# Altium PCB PCB.PcbDoc (part 1 of 2) (continued)
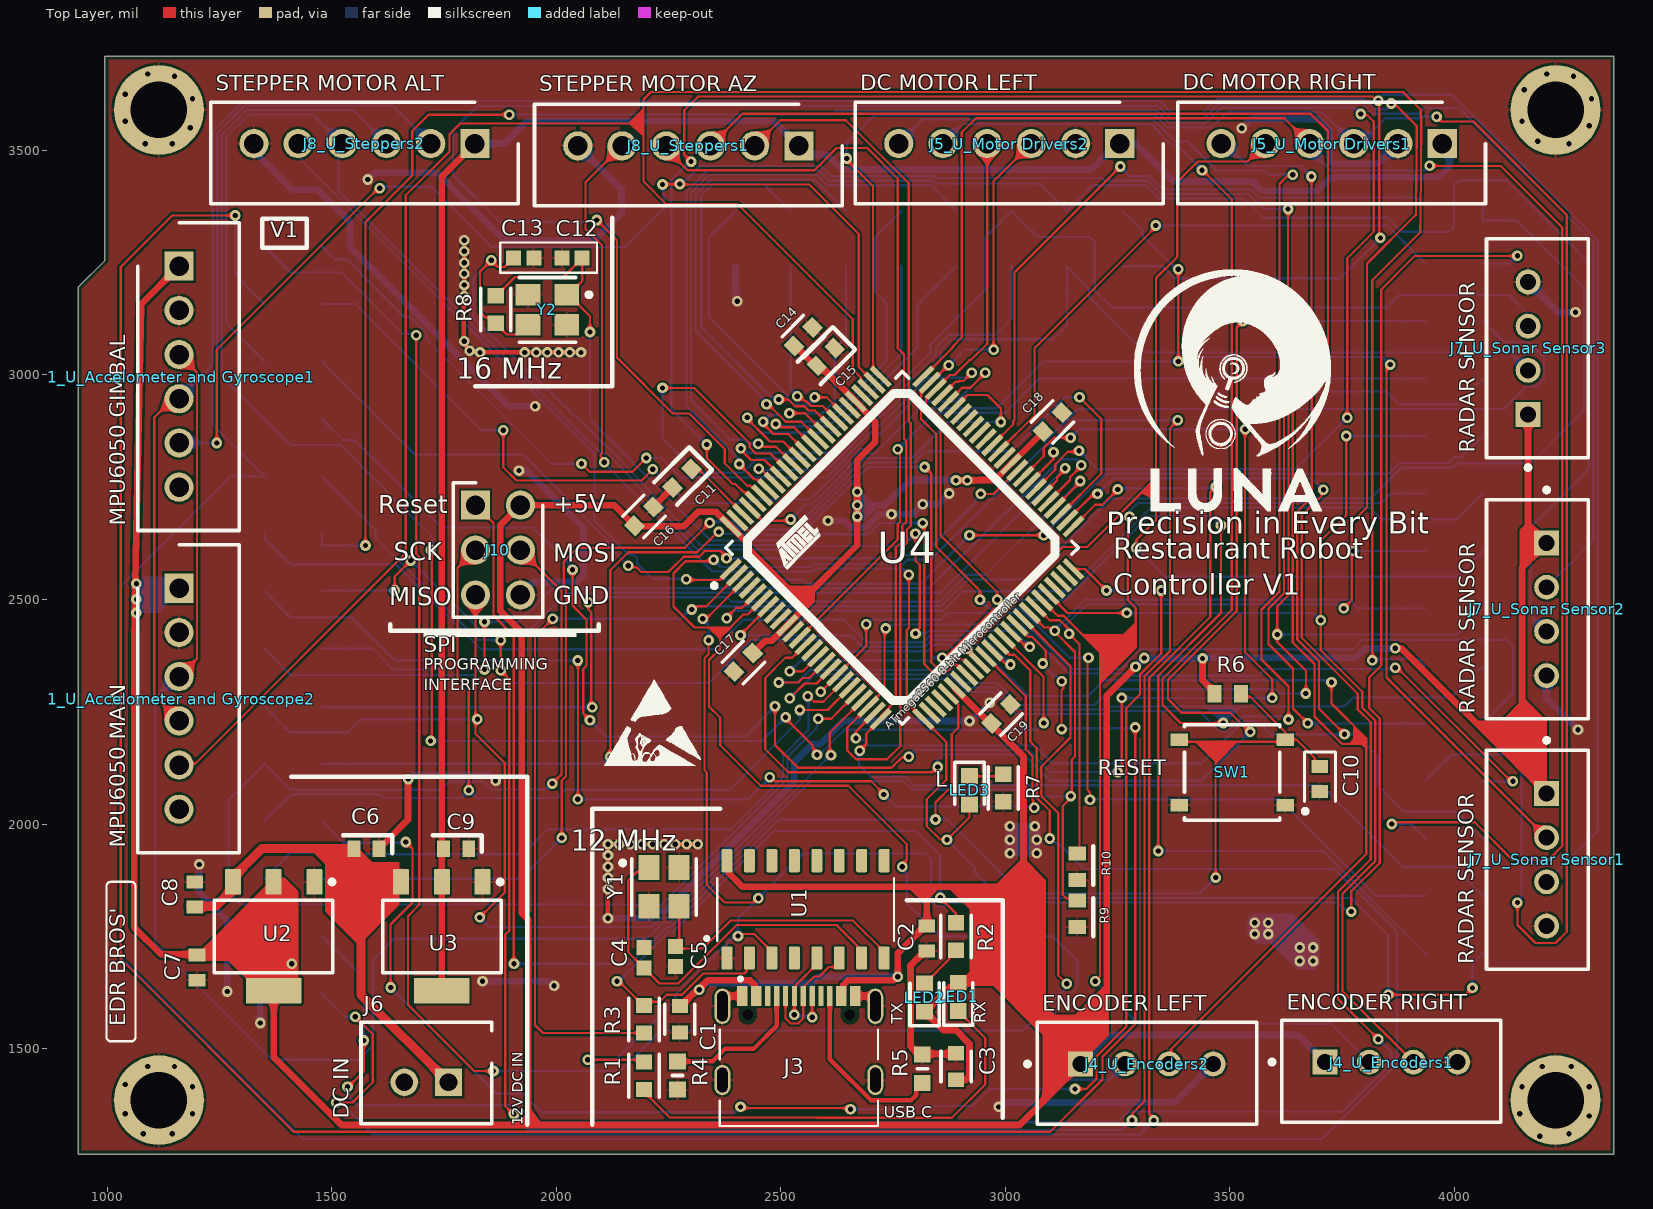
[diagram p0: Top Layer view]
## Part data
C1 C3 C11 C15 C16 C17 C18 C19: library part CMP-2100-03601-2, "CAP CER 0.1UF 50V X7R 0603", Capacitance="100 nF", Manufacturer=YAGEO, Package=CC0603-DA, Temperature="-55°C to +125°C", Temperature Characteristic=X7R, Temperature Coefficient=15%, Temperature Range High=+125°C, Temperature Range Low=-55°C, Tolerance=0.1, Voltage="50 V", Automotive=No, Category=Cap, ComponentLink2Description=Datasheet, ComponentLink2URL=http://www.yageo.com/documents/recent/UPY-GPHC_X7R_6.3V-to-50V_18.pdf, Device Class L1="Passive Components", Device Class L2=Capacitors, Device Class L3="Ceramic Capacitors", Digikey Description="CAP CER 0.1UF 50V X7R 0603", Footprint Url=http://www.yageo.com/exep/pages/download/literatures/UPY-C_GEN_24.pdf, Height=0.9mm, Lead Free=Yes, Manufacturer Part Number=CC0603KRX7R9BB104, Material=Ceramic, Mouser Description="Multilayer Ceramic Capacitor, CC Series, 0.1 - F, - 10%, X7R, 50 V, 0603 [1608 Metric]", Octopart=https://octopart.com/cc0603krx7r9bb104-yageo-42244635, RoHS=TRUE, Voltage Rating="50 V"
C2 C6 C7 C8 C9 C10 C14: "Capacitor", Manufacturer_Name=SAMSUNG, Mouser Part Number=187-CL10A106KP8NNNC, Arrow Part Number=CL10A106KP8NNNC, Arrow Price/Stock=https://www.arrow.com/en/products/cl10a106kp8nnnc/samsung-electro-mechanics?region=europe, Datasheet Link=https://datasheet.datasheetarchive.com/originals/distributors/Datasheets-DGA10/2415998.pdf, Height=0.9mm, Manufacturer_Part_Number=CL10A106KP8NNNC, Mouser Price/Stock=https://www.mouser.co.uk/ProductDetail/Samsung-Electro-Mechanics/CL10A106KP8NNNC?qs=X6jEic%2FHinAlyfRHj7fKwg%3D%3D
C4 C5 C12 C13: library part CMP-1659-00026-1, "Chip Capacitor, 22 pF, +/- 5%, 50 V, -55 to 125 degC, 0603 (1608 Metric), RoHS, Tape and Reel", ComponentLink1Description="Manufacturer URL", ComponentLink1URL=http://www.yageo.com/, ComponentLink2Description=Datasheet, ComponentLink2URL=http://www.yageo.com/documents/recent/UPY-GP_NP0_16V-to-50V_8.pdf, DatasheetVersion="Rev. 8, 08/2011", PackageDescription="2-Pin Surface Mount Device, Body 1.6 x 0.8 mm", PackageReference=0603
"J1_U_Accelometer and Gyroscope1" "J1_U_Accelometer and Gyroscope2" "J5_U_Motor Drivers1" "J5_U_Motor Drivers2" J8_U_Steppers1 J8_U_Steppers2: "Connector", Arrow Part Number=B6B-XH-A(LF)(SN), Manufacturer_Name="JST (JAPAN SOLDERLESS TERMINALS)", Arrow Price/Stock=https://www.arrow.com/en/products/b6b-xh-a-lf-sn/jst-manufacturing?region=europe, Datasheet Link=https://datasheet.lcsc.com/szlcsc/JST-Sales-America-B6B-XH-A-LF-SN_C144397.pdf, Height=7mm, Manufacturer_Part_Number=B6B-XH-A(LF)(SN)
J3: "USB Connectors 24 Receptacle 1 8.94*7.3mm RoHS", Package=Package, Availability="Not in stock", Check_prices=https://www.snapeda.com/parts/TYPE-C-31-M-12/HRO+Electronics+Co.%252C+Ltd./view-part/?ref=eda, MF="HRO Electronics Co., Ltd.", MP=TYPE-C-31-M-12, Price=None, SnapEDA_Link=https://www.snapeda.com/parts/TYPE-C-31-M-12/HRO+Electronics+Co.%252C+Ltd./view-part/?ref=snap
J4_U_Encoders1 J4_U_Encoders2 "J7_U_Sonar Sensor1" "J7_U_Sonar Sensor2" "J7_U_Sonar Sensor3": library part CMP-17439-000250-1, "CONN HEADER VERT 4POS 2.5MM", Color=Natural, Contact Resistance=20mR, Current Rating=3A, Flammability Rating="UL94 V-0", Housing Color=White, Insulation Resistance=1GR, Max Operating Temperature=85°C, Max Voltage Rating (AC)=250V, Min Operating Temperature=-25°C, Package Quantity=500, Connector Type=Header, Contact Finish - Mating=TIN, Contact Material=Brass, Contact Plating=Tin, Contact Shape=Square, Contact Type="Male Pin", Depth=5.75mm, Fastening Type=Detent, Gender=Male, Housing Material=Polyamide, Insulation Color=Natural, Insulation Material=Nylon, Lead Free="Lead Free", Lead Pitch=2.5mm, Length=12.4mm, Mated Stacking Heights=9.8mm, Material=Polyamide, Max Current Rating=3A, Max Voltage Rating (DC)=250V, Mount="Through Hole", Number of Contacts=4, Number of Positions=4, Number of Rows=1, Orientation=Straight, Packaging=Bulk, Pitch=2.5mm, REACH SVHC="No SVHC", Series=XH, Termination=Solder, Voltage Rating=250V, Voltage Rating (AC)=250V, Wire/Cable Gauge=22AWG
J6: library part CMP-17439-000037-1, "CONN HEADER VERT 2POS 2.5MM", Color=Green, Contact Resistance=20mR, Housing Color=White, Max Current Rating=3A, Max Operating Temperature=85°C, Max Voltage Rating (AC)=250V, Min Operating Temperature=-25°C, Connector Type="Male Pin", Contact Material=Brass, Contact Plating=Tin, Contact Type="Male Pin", Depth=5.75mm, Fastening Type=Detent, Housing Material=Polyamide, Lead Free="Lead Free", Length=7.4mm, Mount="Through Hole", Number of Positions=2, Number of Rows=1, Orientation=Straight, Packaging=Bulk, Pitch=2.5mm, Series=XH, Termination=Solder
J10: library part M20-9980346, "Connector", Manufacturer_Name=Harwin, Mouser Part Number=855-M20-9980346, Datasheet Link=https://cdn.harwin.com/pdfs/M20-998.pdf, Height=8.68mm, Manufacturer_Part_Number=M20-9980346, Mouser Price/Stock=https://www.mouser.co.uk/ProductDetail/Harwin/M20-9980346?qs=%252Bk6%2F5FB6qrmHk2P20oz3FA%3D%3D
LED1 LED2 LED3: library part LTST-C191KRKT, "LED", Manufacturer_Name=Lite-On, Mouser Part Number=859-LTST-C191KRKT, Arrow Part Number=LTST-C191KRKT, Arrow Price/Stock=https://www.arrow.com/en/products/ltst-c191krkt/lite-on-technology?region=nac, Datasheet Link=http://www.mouser.com/ds/2/239/S_110_LTST-C191KRKT-539838.pdf, Height=0.55mm, Manufacturer_Part_Number=LTST-C191KRKT, Mouser Price/Stock=https://www.mouser.co.uk/ProductDetail/Lite-On/LTST-C191KRKT?qs=BAIUz4Y8PJBLfOhzue0q%252BA%3D%3D
R1 R2 R3 R7 R8: library part CMP-03412-043191-1, "Anti-Sulfurated Chip Resistors Automotive Grade 1.5kΩ 1% 100ppm/°C 0603", Case/Package=0603, Max Operating Temperature=155°C, Max Power Dissipation=100mW, Min Operating Temperature=-55°C, Resistance=1.5kR, Resistor Type="Thick Film", Temperature Coefficient=100ppm/°C, Tolerance=1%, Features="Moisture Resistant", Height=0.022inch, Length=0.063inch, Number of Terminations=2, Packaging="Tape and Reel", RoHS Compliant=Yes, Series=AF, Width=0.031inch
R4 R5: "Resistor", Manufacturer_Name="UNI-ROYAL(Uniroyal Elec)", Datasheet Link=https://datasheet.lcsc.com/szlcsc/Uniroyal-Elec-0603WAF5101T5E_C23186.pdf, Height=0.55mm, Manufacturer_Part_Number=0603WAF5101T5E
R6 R9 R10: library part CMP-2000-05022-1, "Resistor, 10 KOhm, +/- 5%, 100 mW, -55 to 155 degC, 0603 (1608 Metric), RoHS, Tape and Reel", Case Code - in=0603, Case Code - mm=1608, Manufacturer=Yageo, Operating Temperature Range=-55Cto+155C, Package Description="2-Pin Surface Mount Device, Body 1.6 x 0.8 mm", Package Reference=603, Power Rating=100mW, Resistance=10kOhms, Temperature Coefficient=100PPM/C, Tolerance=5%, Voltage Rating=50V, Datasheet URL=http://www.farnell.com/datasheets/443971.pdf, Datasheet Version="Rev. 4, 04/2009", Manufacturer URL=http://www.yageo.com/, Packaging=Reel, Product=ThickFilmResistorsGeneralPurpose, Series=RC, Termination Style=SMD/SMT
SW1: library part CMP-10040-000013-1, "TACT 5.2 X 5.2, 1.5 MM H, 260GF,", Contact Current Rating=50mA, Contact Resistance=100mΩ, Manufacturer=C&K, Operating Force=250gf, Temperature="-20°C to +70°C", Temperature Range High=+70°C, Temperature Range Low=-20°C, Voltage Rating Dc=12V, Automotive=No, Category=Switch, ComponentLink2Description=Datasheet, ComponentLink2URL=https://www.ckswitches.com/media/2780/pts526.pdf, Device Class L1=Electromechanical, Device Class L2=Switches, Device Class L3="Tactile Switches", Digikey Description="TACT 5.2 X 5.2, 1.5 MM H, 260GF,", Electromechanical Life=200000Cycles, Height=1.65mm, Lead Free=Yes, Manufacturer Part Number=PTS526SK15SMTR2LFS, Octopart=https://octopart.com/pts526+sk15+smtr2+lfs-c%26k+components-100617999, Package=PTS526SK15SMTR2LFS, RoHS=TRUE, Standoff Height=0mm, Throw Configuration=SPST-NO
U1: "USB Interface Integrated Circuit", Package=None, Availability="Not in stock", Check_prices=https://www.snapeda.com/parts/Ch340G/WCH/view-part/?ref=eda, MF=WCH, MP=Ch340G, Price=None, SnapEDA_Link=https://www.snapeda.com/parts/Ch340G/WCH/view-part/?ref=snap
U2 U3: library part CMP-0062-01637-4, "800mA Low-Dropout Linear Regulator, 4-pin SOT-223", Manufacturer="Texas Instruments", PackageTopMarking=XYTT*N06A, PowerWise=N, Code_IPC=SOT223-4, Code_JEDEC=TO-261-AA, ComponentLink1Description="Datasheet URL", ComponentLink1URL=http://www.ti.com/general/docs/lit/getliterature.tsp?genericPartNumber=LM1117-N&fileType=pdf, CompType="LDO IC", High-Reliability=Y, PackageDescription="Molded SOT-223, 6.50 x 3.56 x 1.6mm Body, 4 Lead, 2.3mm Pitch", PackageReference=DCY0004A, PartNumber=LM1117MPX-5.0, PinCount=4, RoHS=N
U4: library part CMP-06276-000073-1, "IC MCU 8BIT 256KB FLASH 100TQFP", Case/Package=DIP, Frequency=16MHz, Max Operating Temperature=70°C, Min Operating Temperature=0°C, Core Architecture=PIC, Interface=UART, Memory Size=8KB, Memory Type=OTP, Number of I/Os=33, Oscillator Type=External, Packaging=Rail/Tube, Peripherals=POR
Y1 Y2: library part CMP-2000-05039-3, "Crystal 12MHz ±20ppm (Tol) ±30ppm (Stability) 18pF FUND 120Ω 4-Pin SMD T/R", Case/Package=CSMD, ESR (Equivalent Series Resistance)=120R, Frequency=12MHz, Frequency Stability=30ppm, Frequency Tolerance=20ppm, Load Capacitance=18pF, Max Operating Temperature=85°C, Min Operating Temperature=-40°C, Operating Frequency="12 MHz", Package Quantity=1000, Depth=2.5mm, Height=1mm, Lead Free="Lead Free", Length=3.2mm, Mount="Surface Mount", Number of Pins=4, Packaging="Tape and Reel", Radiation Hardening=No, Series=ABM8G, Series Resistance=120R, Termination=SMD/SMT, Tolerance=20ppm, Width=2.5mm

## Free pads (board coordinates)
  rect 100x100 smd far side: 2(1350,1622) 2(1350,1750) 2(1350,1878) 2(1350,2006) 2(1350,2134) 2(1350,2262) 2(1350,2390) 2(1350,2518) 2(1350,2646) 2(1350,2774) 2(1350,2902) 2(1350,3030) 2(1350,3158) 2(1350,3286) 2(1478,1622) 2(1478,1750) 2(1478,1878) 2(1478,2006) 2(1478,2134) 2(1478,2262) 2(1478,2390) 2(1478,2518) 2(1478,2646) 2(1478,2774) 2(1478,2902) 2(1478,3030) 2(1478,3158) 2(1478,3286) 2(2399,3242) 2(2399,3365) 2(2522,3242) 2(2522,3365) 2(2645,3242) 2(2645,3365) 2(2768,3242) 2(2768,3365) 2(2891,3242) 2(2891,3365) 2(3014,3242) 2(3014,3365) 2(3137,3242) 2(3137,3365) 2(3260,3242) 2(3260,3365) 2(3935,1712) 2(3935,1840) 2(3935,1968) 2(3935,2096) 2(3935,2224) 2(3935,2352) 2(3935,2480) 2(3935,2608) 2(3935,2736) 2(3935,2864) 2(3935,2992) 2(3935,3120) 2(3935,3248) 2(3935,3376) 2(4063,1712) 2(4063,1840) 2(4063,1968) 2(4063,2096) 2(4063,2224) 2(4063,2352) 2(4063,2480) 2(4063,2608) 2(4063,2736) 2(4063,2864) 2(4063,2992) 2(4063,3120) 2(4063,3248) 2(4063,3376)
  round 200 hole 125.98: 3(1115,3590) 4(1115,1385) 5(4225,1385) 6(4225,3590)

## Via types
v1: diameter 23.62, hole 11.81, Top Layer to Bottom Layer, tented both sides, 317 vias

## Nets (pads, with @x,y where several pads share a name; then routed paths per layer and width w, separated by ;. In a path a pad name is that pad's centre, name@x,y a point inside that pad or via, vN(x,y) a via of type N, cw(c..) or ccw(c..) an arc to the next point about the centre after c; other vN are vias at no path point)
0P: pad.2@4063,3376 R3.1 U4.2 | length 4380.3
  Top Layer w5: v1(1992,2457) 1952.59,2417.59 1952.59,1552.41 1970.58,1534.42 R3.1@2195,1534.42 ; v1(2301.49,2477.52) 2306.52,2477.52 2314,2485 2333.77,2485 U4.2@2402.53,2553.75
  Bottom Layer w5: v1(1992,2457) 2277,2457 v1@2297.52,2477.52 ; v1(2301.49,2477.52) 2306.43,2477.52 2313.73,2484.82 2857.49,2484.82 2916.99,2544.31 3053.31,2544.31 3234,2725 3813,2725 3882,2794 3996.25,2794 4005.75,2803.5 4169.5,2803.5 4288.68,2922.68 4288.68,3194.32 4139,3344 4063,3344 pad.2@4063,3376
1P: pad.2@4063,3248 R1.1 U1.3 U4.3 | length 4961.5
  Top Layer w5: v1(2070,1475) 2190,1475 R1.1@2195,1470 ; v1(2326,2456.82) 2329.56,2460.39 2337,2460.39 U4.3@2416.45,2539.84 ; v1(2339,2409) 2339,2378.14 2330,2369.14 2330,2119.57 2335,2114.57 2335,1865 2375,1825 2438.35,1825 2448.35,1835 v1(2450,1835) ; v1(2404.51,1750.49) 2408.07,1754.05 2415.8,1754.05 2416.75,1755 2440.75,1755 U1.3@2470.73,1725.02 ; v1(3770,1805) 3770,1850.03 3833.33,1913.35 3833.33,2234.84 3810,2258.16 3810,2326.31 3836.69,2353 3836.69,3190 3911.69,3265 v1(4140,3265)
  Bottom Layer w5: v1(2070,1475) 2132.69,1475 2264.56,1606.87 2264.56,1619.56 2400,1755 v1(2404.51,1750.49) 2404.51,1789.51 v1(2450,1835) 2549.31,1934.31 2823,1934.31 2834.31,1923 2834.31,1829.07 2835.69,1827.69 2847,1816.38 2863,1816.38 2871.62,1825 3740,1825 3749.58,1815.42 3751.64,1815.42 3762.06,1805 v1(3770,1805) ; v1(2326,2456.82) 2326,2456 2339,2443 v1(2339,2409) ; pad.2@4063,3248 4123,3248 v1(4140,3265)
2P: J4_U_Encoders2.2 pad.2@4063,3120 U4.6 | length 4473.3
  Top Layer w5: v1(2350.11,2588.31) 2346.8,2585 2287.69,2585 2260.69,2558 2260.69,2484.31 2307.49,2437.51 2358.78,2437.51 ; U4.6@2458.2,2498.08 2426.52,2466.39 2416.39,2466.39 2387.51,2437.51 2358.78,2437.51 ; v1(2770,1905) 2770,1910.04 2780,1920.04 2780,1955 2650,2085 2455.17,2085 2365,2175.17 2365,2236.38 2340,2261.38 2340,2365 2365,2390 2365,2420.01 2358.78,2426.23 2358.78,2437.51
  Bottom Layer w5: v1(2350.11,2588.31) 2365.97,2572.46 2568.31,2572.46 2574.86,2579 2772.38,2579 2781.69,2588.31 2833.09,2588.31 3090,2845.22 3090,2852.54 3151.57,2914.12 3161.46,2924 4110,2924 4160,2974 4181,2974 4199,2992 4199,3040 4166,3073 4110,3073 pad.2@4063,3120 ; v1(2770,1905) 2770,1899.96 2780,1889.96 2780,1823.94 2853.94,1750 3105,1750 3159.72,1695.28 3159.72,1637.6 3110,1587.89 3110,1455.89 3135.28,1430.61 3230.73,1430.61 J4_U_Encoders2.2@3265.79,1465.67
3P: J4_U_Encoders2.3 pad.2@4063,2992 U4.7 | length 3888.1
  Top Layer w5: v1(2410,2420) 2410,2421.02 2472.12,2483.14 U4.7@2472.12,2484.16 ; J4_U_Encoders2.3@3364.21,1465.67 3368.98,1470.44 3368.98,1498.98 3803.33,1933.33 3803.33,2168.5 ; v1(3663,2963) 3640,2940 3640,2404.38 3688.31,2356.06 3688.31,2239.38 3749.69,2178 3794,2178 3800,2172 3800,2171.83 3803.33,2168.5 ; v1(3726,2315.69) 3726,2268.5 3803.33,2191.17 3803.33,2168.5
  Bottom Layer w5: v1(2410,2420) 2655.14,2420 2680.45,2394.69 2821.63,2394.69 2836.62,2409.68 2878.16,2409.68 2878.69,2409.15 2925.85,2409.15 3050,2285 3184.23,2285 3219.23,2320 3710,2320 3711.5,2318.5 3723.19,2318.5 v1(3726,2315.69) ; v1(3663,2963) 3848,2963 3877,2934 4005,2934 pad.2@4063,2992
4P: J8_U_Steppers2.5 pad.2@4063,2864 U4.1 | length 3401.8
  Top Layer w5: v1(2289.28,2544.68) 2290.49,2543.47 2364.4,2543.47 U4.1@2388.61,2567.67 ; v1(2920,2643) v1(3085,2643)
  Bottom Layer w5: J8_U_Steppers2.5@1425,3515 1432.05,3507.95 1432.05,3477.95 2085,2825 2085,2675 2159.56,2600.44 2163.7,2600.44 ; 2163.73,2600.43 2174.99,2597.31 2179.38,2592.92 2179.38,2580.62 2213.95,2546.05 2287.91,2546.05 v1(2289.28,2544.68) 2548.32,2544.68 2558,2535 2812,2535 v1(2920,2643) ; v1(3085,2643) 3222,2780 3853.86,2780 3877.86,2804 3985.61,2804 3998.11,2816.5 4015.5,2816.5 pad.2@4063,2864
5P: pad.2@4063,2736 U4.5 | length 1908.7
  Top Layer w5: v1(2379.58,2458.21) 2379.58,2460.42 2400.54,2481.39 2413.68,2481.39 U4.5@2444.29,2512
  Bottom Layer w5: v1(2379.58,2458.21) 2396.19,2474.82 2861.64,2474.82 2905.13,2518.31 3137.93,2518.31 3324.62,2705 3810,2705 3836.5,2678.5 4005.5,2678.5 pad.2@4063,2736
6P: "J5_U_Motor Drivers1.5" pad.2@4063,2608 U4.15 | length 2977
  Top Layer w5: v1(2520.04,2339.93) 2520.17,2340.06 2549.46,2340.06 2582.2,2372.8 U4.15@2583.48,2372.8 ; v1(2859.44,2370.37) 2864.47,2370.37 2870.53,2376.42 2872.11,2376.42 2975.38,2479.69 2989.84,2479.69 3127.16,2617 3182,2617 3335.5,2770.5 ; v1(3291.51,2614.49) 3291.51,2632.51 3335.5,2676.5 3335.5,2770.5 ; 3578.74,3515 3538.76,3475.02 3428.02,3475.02 3382.58,3429.58 3382.58,3262.58 3335.5,3215.5 3335.5,2770.5
  Bottom Layer w5: v1(2520.04,2339.93) 2544.42,2364.31 2833.68,2364.31 2839.74,2370.37 v1(2859.44,2370.37) ; v1(3291.51,2614.49) 3355.5,2550.5 4005.5,2550.5 pad.2@4063,2608
7P: "J5_U_Motor Drivers1.6" pad.2@4063,2480 U4.16 | length 3279.2
  Top Layer w5: v1(2495,2315) 2538.55,2315 2548.55,2325 2563.38,2325 2597.27,2358.88 U4.16@2597.4,2358.88 ; v1(3669,2290.69) 3669,2341 3605,2405 v1(3605,2422) 3605,2484.34 3630,2509.34 3630,2984.31 3681.31,3035.62 v1(3681.31,3441.69)
  Bottom Layer w5: v1(2495,2315) 2537,2315 2564.86,2342.86 2880.43,2342.86 2909.22,2314.07 2982.5,2314.07 3031.57,2265 3198.38,2265 3233.38,2300 3602,2300 3611.31,2290.69 v1(3669,2290.69) ; 3480.32,3515 3490,3515 3540,3465 3658,3465 v1(3681.31,3441.69) ; v1(3605,2422) 4005,2422 pad.2@4063,2480
8P: "J5_U_Motor Drivers2.5" pad.2@4063,2352 U4.17 | length 3874.7
  Top Layer w5: v1(2520,2280) 2552.71,2312.71 2579.07,2312.71 U4.17@2611.32,2344.96 ; v1(3437.65,3455.71) 3439.29,3455.71 3504,3391 3504,2477.3 3350,2323.3 3350,2265 3390,2225 v1(3485,2225)
  Bottom Layer w5: v1(2520,2280) 2521,2280 2573.86,2332.86 2876.29,2332.86 2905.08,2304.07 2978.36,2304.07 3027.43,2255 3219.97,2255 3226.35,2261.38 3461.62,2261.38 ; 2860.83,3515 2904.58,3558.75 3323.92,3558.75 3372.84,3509.83 3385.17,3509.83 3437.65,3457.35 v1(3437.65,3455.71) ; v1(3485,2225) 3482.69,2227.31 3482.69,2240.31 3461.62,2261.38 ; pad.2@4063,2352 3992.5,2281.5 3774.31,2281.5 3754.19,2261.38 3461.62,2261.38
9P: "J5_U_Motor Drivers2.6" pad.2@4063,2224 U4.18 | length 5273.6
  Top Layer w5: v1(2589.08,2294.35) 2589.08,2294.62 2625.24,2330.78 2625.24,2331.56 2690,2396.32 v1(2690,2445) ; v1(3630.31,2232.71) 3630.31,2306.06 3570,2366.38 3570,2477.62 3610,2517.62 3610,3425 3627.13,3442.13 3636.44,3442.13 v1(3640,3445.69)
  Bottom Layer w5: v1(2589.08,2294.35) 2589.38,2294.35 2617.89,2322.86 2872.14,2322.86 2900.93,2294.07 2974.22,2294.07 3023.28,2245 3224.11,2245 3230.49,2251.38 3431.31,2251.38 3477,2205.69 3493,2205.69 3526.62,2239.31 3618.68,2239.31 3625.27,2232.71 v1(3630.31,2232.71) ; v1(2690,2445) 2692.01,2445 2701.83,2454.82 2855.78,2454.82 2870.65,2469.69 3020.7,2469.69 3145.39,2345 3257.1,2345 3301.05,2388.95 3773.2,2388.95 3794.56,2410.31 4115.29,2410.31 4130,2395.61 4130,2291 pad.2@4063,2224 ; 2762.4,3515 2816.15,3568.75 3328.06,3568.75 3376.98,3519.83 3405.17,3519.83 3470,3455 3578,3455 3587.31,3445.69 v1(3640,3445.69)
10P: J8_U_Steppers1.2 pad.2@4063,2096 U4.23 | length 3762.4
  Top Layer w5: J8_U_Steppers1.2@2441.57,3510 2498.57,3567 2644.45,3567 2784.77,3426.68 2784.77,2896.59 2789.2,2892.16 2789.2,2663.82 2780.38,2655 2780.38,2625.44 2765.69,2610.75 2765.69,2173.38 2736.3,2143.99 2667.43,2143.99 2647.81,2163.61 2647.81,2214.42 2711.54,2278.15 2711.54,2280.41 2731,2299.87 2731,2433.31 v1(2733.2,2435.51) ; v1(3868,2348) 3872.5,2348 4125.5,2095 v1(4130,2095)
  Bottom Layer w5: v1(2733.2,2435.51) 2736.95,2435.51 2745.44,2444 3032.25,2444 3141.25,2335 3277.69,2335 3282.66,2330.03 3563.17,2330.03 3578.02,2344.88 3864.88,2344.88 v1(3868,2348) ; pad.2@4063,2096 4064,2095 v1(4130,2095)
11P: J8_U_Steppers1.3 pad.2@4063,1968 U4.24 | length 4513.3
  Top Layer w5: J8_U_Steppers1.3@2343.15,3510 2414.53,3581.38 3679.48,3581.38 3718,3542.86 3718,3019 3682.31,2983.31 3682.31,2728.24 3650,2695.93 3650,2410.86 3698.31,2362.55 3698.31,2256.69 v1(3755,2200) ; v1(2667.12,2190.69) 2667.23,2190.8 2667.23,2206 U4.24@2708.75,2247.53
  Bottom Layer w5: v1(2667.12,2190.69) 2670.24,2187.57 2682.43,2187.57 2695,2175 3065,2175 3105,2135 3436.45,2135 3530.76,2229.31 3561.63,2229.31 3590.94,2200 v1(3755,2200) 3780,2200 3830,2150 3830,2085 3886.94,2028.06 4002.94,2028.06 pad.2@4063,1968
12P: J8_U_Steppers1.4 pad.2@4063,1840 U4.25 | length 3462.8
  Top Layer w5: J8_U_Steppers1.4@2244.72,3510 2244.72,3502.97 2292,3455.69 2574.69,3455.69 2624,3505 2692.31,3505 2760.38,3436.93 2760.38,3059.34 2774.31,3045.4 2774.31,2857.8 2779.2,2852.91 2779.2,2672.7 2770.38,2663.88 2770.38,2629.59 2755.69,2614.9 2755.69,2273.96 2722.67,2240.94 U4.25@2722.67,2233.61 2689.96,2200.9 2689.96,2185.25 2689.96,2177.83 v1(2675.43,2163.3)
  Bottom Layer w5: v1(2675.43,2163.3) 2673.7,2161.57 2673.7,2131.3 2700,2105 2777.72,2105 2796.41,2086.31 2911,2086.31 2911.2,2086.51 3047.25,2086.51 3047.38,2086.38 3702.76,2086.38 3884.14,1905 4005.88,1905 4016.63,1894.24 4016.63,1886.37 pad.2@4063,1840
13P: J8_U_Steppers1.5 LED3.2 pad.2@4063,1712 U4.26 | length 3808.5
  Top Layer w5: v1(2106.44,2805.34) 2106.44,2810.38 2098.25,2818.57 2098.25,2822.44 2101.62,2825.81 2101.62,3288.38 2065,3325 2065,3428.7 J8_U_Steppers1.5@2146.3,3510 ; v1(2785,2555) 2785,2436.62 2780.38,2432 2780.38,2270.56 U4.26@2817.33,2233.61 2868.31,2182.62 2868.31,2098.31 2825,2055 2825,1995 2854.69,1965.31 2869.69,1965.31 v1(2870,1965) 2920,2015 LED3.2@2920,2043.5 ; v1(3852.64,1620) 4025,1620 v1(4040,1635)
  Bottom Layer w5: v1(2106.44,2805.34) 2118.05,2791.95 2120.98,2789.02 2347.54,2562.46 2572.45,2562.46 2579,2569 2771,2569 v1(2785,2555) ; v1(2870,1965) 2931.78,1903.22 2931.78,1893.22 2990,1835 3770,1835 3852.64,1752.36 v1(3852.64,1620) ; v1(4040,1635) 4040,1689 pad.2@4063,1712
14P: pad.2@3935,3376 U4.64 | length 1454.5
  Top Layer w5: U4.64@2970.44,2843.28 3017.39,2890.23 3017.39,2897.39 3020,2900 3020,3228 v1(3256,3464)
  Bottom Layer w5: v1(3256,3464) 3277.5,3442.5 3321.39,3442.5 3350.86,3413.03 3546.11,3413.03 3564.14,3395 3916,3395 pad.2@3935,3376
15P: pad.2@3935,3248 U4.63 | length 1283.6
  Top Layer w5: U4.63@2984.36,2829.36 3065,2910 3065,3060 3334.97,3329.97 v1(3334.97,3332.65)
  Bottom Layer w5: v1(3334.97,3332.65) 3850.35,3332.65 pad.2@3935,3248
16P: pad.2@3935,3120 U4.13 | length 3008.4
  Top Layer w5: U4.13@2555.64,2400.64 2525,2370 2510.02,2370 2465,2324.98 2465,2166.45 2516.45,2115 2837,2115 v1(2849,2127) ; v1(3529,3120) 3515,3106 3515,2474.16 3361.88,2321.04 3361.88,2278.12 3392.11,2247.89 3500.8,2247.89 3528.67,2220.02 3528.67,2219.52 3543.19,2205 v1(3545,2205)
  Bottom Layer w5: v1(2849,2127) 2849,2144 2860,2155 3040.62,2155 3099.25,2096.38 3436.38,2096.38 v1(3545,2205) ; v1(3529,3120) pad.2@3935,3120
17P: pad.2@3935,2992 U4.12 | length 1756.7
  Top Layer w5: U4.12@2540.44,2414.56 U4.12@2541.21,2414.56 ; U4.12@2541.72,2414.56 U4.12@2541.21,2414.56 ; v1(2759.89,2834.31) 2759.89,2829.27 2765.5,2823.66 2765.5,2673.14 2760.38,2668.02 2760.38,2633.73 U4.12@2541.21,2414.56
  Bottom Layer w5: v1(2759.89,2834.31) 2841.51,2915.93 2999.42,2915.93 3075.49,2992 pad.2@3935,2992
18P: J4_U_Encoders1.3 pad.2@3935,2864 U4.46 | length 2369.7
  Top Layer w5: U4.46@3095.71,2512 3096.43,2512 3138.42,2470 v1(3270,2470) ; v1(3759,2864) 3759,2687.34 3702.31,2630.66 v1(3702.31,2454) 3702.31,2386.83 3794.69,2294.45 3794.69,2259.33 3823.33,2230.69 3823.33,1917.5 3750.69,1844.86 3750.69,1627.74 J4_U_Encoders1.3@3908.43,1470
  Bottom Layer w5: v1(3270,2470) 3685,2470 3701,2454 v1(3702.31,2454) ; v1(3759,2864) pad.2@3935,2864
19P: J4_U_Encoders1.2 pad.2@3935,2736 U4.45 | length 2673.8
  Top Layer w5: U4.45@3081.8,2498.08 3109.87,2470.01 ; 3110,2470.01 3116.54,2463.46 3129.16,2463.46 3210.38,2382.25 3210.38,2369.62 ; v1(3200,1650) 3200,1650.9 3210.38,1661.27 3210.38,2369.62 ; v1(3276.15,2683.85) 3276.15,2665.99 3272.2,2662.03 3272.2,2498.8 3290,2481 3290,2400 3255.37,2365.37 3214.63,2365.37 3210.38,2369.62
  Bottom Layer w5: v1(3200,1650) 3295,1555 3725,1555 J4_U_Encoders1.2@3810,1470 ; v1(3276.15,2683.85) 3278.65,2686.35 3278.65,2698.65 3291.46,2711.46 3295,2715 3837,2715 3858,2736 pad.2@3935,2736
20P: "J1_U_Accelometer and Gyroscope1.4" "J1_U_Accelometer and Gyroscope2.4" pad.2@3935,2608 R10.2 U4.44 | length 6739.5
  Top Layer w5: 1160,2229.72 1105,2284.72 1105,2905 1146.85,2946.85 1160,2946.85 ; U4.44@3067.88,2484.16 3098.57,2453.46 3121.15,2453.46 3138.14,2436.48 3138.14,2427.17 v1(3141.71,2423.61) 3165,2400.32 R10.2@3165,1934.53 ; v1(3753,2480) 3771,2498 v1@3771,2608 ; v1(3774.54,2608) v1@3771,2608 ; v1(3859.31,3604.33) 3864.35,3604.33 3869.83,3598.86 3871.14,3598.86 3915.89,3554.11 3915.89,3552.02 3914.1,3356.79 3912.66,3355.35 3805.31,3248 3805.31,2705.31 3771,2671 v1@3771,2608
  Bottom Layer w5: 1160,2946.85 1235,3021.85 1235,3542.43 1302.57,3610 3343.38,3610 3372,3581.38 3438.04,3581.38 3471.66,3615 3798.38,3615 3822,3591.38 3848.64,3591.38 3859.31,3602.05 v1(3859.31,3604.33) ; v1(3141.71,2423.61) 3140.35,2424.96 3140.35,2438.92 3135.71,2443.57 3181.45,2489.31 3743.69,2489.31 v1(3753,2480) ; v1(3774.54,2608) pad.2@3935,2608
21P: "J1_U_Accelometer and Gyroscope1.3" "J1_U_Accelometer and Gyroscope2.3" pad.2@3935,2480 R9.2 U4.43 | length 5489.8
  Top Layer w5: 1160,2328.15 1200,2368.15 1200,3005.28 1160,3045.28 ; U4.43@3053.96,2470.24 3086.48,2437.72 3097.24,2437.72 3104.96,2430 v1(3110,2430) 3110,2428.01 3155,2383.01 3155,2150.67 3147.64,2143.31 v1@3147.64,2063.36 ; v1(3145.69,2062.15) 3145.69,2057.78 3127.81,2039.91 3127.81,1842.19 3135.74,1834.26 3156.81,1834.26 R9.2@3161.06,1830
  Bottom Layer w5: 1160,2328.15 1153.15,2328.15 1106.12,2281.12 1106.12,1735.45 1366.57,1475 1560,1475 1591,1506 1591,1697 1638.5,1744.5 2201.21,1744.5 2237.22,1780.5 2251.36,1780.5 2565.86,2095 2694.02,2095 2773.58,2095 2792.27,2076.31 2919,2076.31 2919.2,2076.51 3043.11,2076.51 3058.62,2061 3144.54,2061 v1(3145.69,2062.15) ; v1(3110,2430) 3110,2432 3177.31,2499.31 3766.03,2499.31 3785.34,2480 pad.2@3935,2480
22P: "J1_U_Accelometer and Gyroscope2.5" pad.2@3935,2352 U4.78 | length 6210.7
  Top Layer w5: 1160,2131.3 1163.07,2134.37 1195.98,2134.37 1665,2603.39 1665,3400 1762,3497 1762,3536 1786,3560 2194,3560 ; U4.78@2694.84,2968.55 2678.13,2985.26 2678.13,2994.14 2660,3012.27 2660,3124 2404,3380 2245,3380 2194,3431 2194,3560 ; v1(3817,2364.19) 3817,3211 3923.52,3317.52 3924.1,3352.65 3925.1,3465.79 3925.17,3473.78 3925.89,3549.93 3925.89,3558.25 3924.98,3590.41 3885.39,3630 2211,3630 2194,3613 2194,3560
  Bottom Layer w5: v1(3817,2364.19) 3820.12,2367.31 3919.69,2367.31 pad.2@3935,2352
23P: "J1_U_Accelometer and Gyroscope1.5" pad.2@3935,2224 U4.77 | length 5284.3
  Top Layer w5: v1(1244,2848.43) 1244,3056 1603.69,3415.69 v1(1607,3415.69) ; v1(2236.38,3424) 2236.88,3424.5 2274.5,3424.5 v1(2275,3425) 2276,3424 2563,3424 2673.46,3313.54 2673.46,3017.77 U4.77@2708.75,2982.47 ; v1(3629.31,3369.31) 3629.31,2997.77 3620,2988.45 3620,2513.48 3585.69,2479.17 3585.69,2400.62 3640.31,2346 3640.31,2257.1 v1(3673.41,2224)
  Bottom Layer w5: 1160,2848.43 v1(1244,2848.43) ; v1(1607,3415.69) 1610.31,3419 1722,3419 1856,3285 2154.62,3285 2239,3369.38 2239,3421.38 v1(2236.38,3424) ; v1(2275,3425) 2279.81,3425 2319.81,3465 2589.18,3465 2611.68,3442.5 2842.5,3442.5 2846.54,3438.46 3215.71,3438.46 3221.68,3432.5 3317.25,3432.5 3346.71,3403.03 3541.97,3403.03 3575.69,3369.31 v1(3629.31,3369.31) ; v1(3673.41,2224) pad.2@3935,2224
24P: "J5_U_Motor Drivers1.3" pad.2@3935,2096 U4.76 | length 4685.9
  Top Layer w5: v1(2646.66,3481.81) 2646.66,3478.34 2705,3420 2705,3060 2705,3014.07 U4.76@2722.67,2996.39 ; v1(3960,3575) 3971,3564 4042,3564 4250.06,3355.94 4250.06,1760.06 4225,1735 4180,1735 4140,1775 v1(4140,1825)
  Bottom Layer w5: v1(2646.66,3481.81) 2646.66,3516.66 2708.75,3578.75 3332.2,3578.75 3359.57,3551.38 3460.15,3551.38 3493.78,3585 3705.59,3585 3775.59,3515 3789.91,3515 3846.28,3571.38 3923.66,3571.38 3927.28,3575 v1(3960,3575) ; pad.2@3935,2096 3994,2155 4114.61,2155 4149.31,2120.3 4149.31,1837.24 4140,1827.93 v1(4140,1825)
25P: "J5_U_Motor Drivers1.4" pad.2@3935,1968 U4.75 | length 3940.4
  Top Layer w5: U4.75@2817.33,2996.39 2818.61,2996.39 2851.96,3029.75 2851.96,3030.36 2883.87,3062.27 ; 2882.72,3063.42 2903,3083.71 2903,3540 2934.38,3571.38 3620.79,3571.38 3677.17,3515 ; v1(3860,2000) 3863.56,2003.56 3871.8,2003.56 3872.24,2004 4045,2004 4129,1920 4209,1920 4240.06,1951.06 4240.06,3327.94 4104.46,3463.54 4103,3465 v1(3944.41,3465.71)
  Bottom Layer w5: 3677.17,3515 3677.17,3502.57 3724.72,3455.02 3933.45,3455.02 3944.14,3465.71 v1(3944.41,3465.71) ; v1(3860,2000) 3903,2000 pad.2@3935,1968
26P: "J5_U_Motor Drivers2.3" pad.2@3935,1840 U4.74 | length 2637.3
  Top Layer w5: U4.74@2812,2965 2812,2901.62 2845.69,2867.94 2845.69,2617.19 2943.25,2519.63 v1(2943.25,2499) ; U4.74@2831.25,2982.47 2833.08,2982.47 2871.94,3021.33 v1(2873.78,3021.33) ; v1(2973.69,3056) 2973.69,3431.01 3057.68,3515 ; v1(3184.93,2370) 3182.5,2367.57 3182.5,2076.14 3188.35,2070.3 v1(3188.35,2054.33)
  Bottom Layer w5: v1(2873.78,3021.33) 2891.98,3039.53 2908.45,3056 v1(2973.69,3056) ; v1(2943.25,2499) 2962.56,2479.69 3033,2479.69 3142.69,2370 v1(3184.93,2370) ; v1(3188.35,2054.33) 3189.02,2055 3610,2055 3825,1840 pad.2@3935,1840
28P: pad.2@1478,3286 U4.72 | length 1876.7
  Top Layer w5: v1(2056.06,2802.35) 2073.86,2784.55 2169.55,2784.55 v1(2200,2815) ; U4.72@2859.08,2954.63 2888.97,2984.52 2895.59,2984.52 2897.19,2986.11 2906.11,2986.11 v1(2925,3005)
  Bottom Layer w5: pad.2@1478,3286 1506.57,3257.43 1532.57,3257.43 1659.88,3130.12 1673.67,3130.12 1710.67,3093.12 1710.67,3079.33 1987.65,2802.35 v1(2056.06,2802.35) ; v1(2200,2815) 2235,2815 2278.3,2771.7 2600.4,2771.7 2708.59,2879.88 2712.99,2879.88 2826.64,2993.53 2913.53,2993.53 v1(2925,3005)
29P: pad.2@1478,3158 U4.71 | length 1958.7
  Top Layer w5: v1(1882,2877) 1882,2794.57 1911.57,2765 2190,2765 v1(2215,2790) ; U4.71@2873,2940.71 2903.4,2971.11 2921.96,2971.11 2955,3004.15 v1(2955,3005)
  Bottom Layer w5: pad.2@1478,3158 1552,3158 1833,2877 v1(1882,2877) ; v1(2215,2790) 2290,2715 2428.94,2715 2436.71,2722.77 2565.62,2722.77 2677.85,2835 2687.04,2835 2793.02,2940.99 2890.99,2940.99 v1(2955,3005)
30P: pad.2@1478,3030 U4.60 | length 1863.3
  Top Layer w5: v1(2160,2575) 2163.56,2571.44 2178.56,2571.44 2189.08,2560.92 2249.47,2560.92 2283.55,2595 2318.14,2595 2330.76,2607.62 2366.35,2607.62 2378.94,2595.03 v1(2378.94,2591.77) ; v1(2945,2735) 2973.52,2735 U4.60@3026.12,2787.6
  Bottom Layer w5: pad.2@1478,3030 1685.07,2822.93 1927.07,2822.93 1930,2820 2075,2670.86 2115,2630.86 2115,2620 v1(2160,2575) ; v1@2378.96,2591.78 2771.02,2591.78 2778.24,2599 2816.47,2599 2933.31,2715.84 2933.31,2723.31 v1(2945,2735)
31P: pad.2@1478,2902 U4.59 | length 4094.7
  Top Layer w5: v1(2036,2566) 2036,2486.31 2067.31,2455 2067.31,2352.31 2060,2345 2060,2246 v1(2075,2231) ; v1(2487,2262) 2487,2176 2538,2125 2746.5,2125 2769.69,2148.19 2783.19,2148.19 v1(2785,2150) ; U4.59@3040.04,2773.68 3085.27,2818.92 3085.27,2836.95 3108.15,2859.84 3144.84,2859.84 v1(3145,2860) ; v1(3249.69,2115.69) 3249.69,2118.62 3259,2127.93 v1(3259,2280.69) ; v1(3534.31,2879) 3533.69,2878.38 3533.69,2382.69 3594,2322.38 v1(3594,2280.69)
  Bottom Layer w5: pad.2@1478,2902 1525.5,2854.5 1550.5,2854.5 1744.98,2660.02 1946.98,2660.02 2036,2571 v1(2036,2566) ; v1(2075,2231) 2111,2195 2420,2195 v1(2487,2262) ; v1(2785,2150) 2800,2165 3050.62,2165 3099.93,2115.69 v1(3249.69,2115.69) ; v1(3145,2860) 3164,2879 v1(3534.31,2879) ; v1(3259,2280.69) v1(3594,2280.69)
32P: pad.2@1478,2774 U4.58 | length 5055.4
  Top Layer w5: v1(1876,2409.46) v1(1876,2342) 1895,2323 1895,1762.55 1886.38,1753.93 1886.38,1371.3 1903.36,1354.32 v1(1905.71,1354.32) ; U4.58@3053.96,2759.76 3106.8,2812.61 3106.8,2827.64 v1(3107.08,2827.92) ; v1(3281.82,1340.69) 3282.82,1341.69 3282.82,1356 3309.78,1382.96 3309.78,2328.92 3366.31,2385.45 3366.31,2881.31 v1(3384,2899)
  Bottom Layer w5: pad.2@1478,2774 1596.6,2655.4 1596.6,2638.55 1825.69,2409.46 v1(1876,2409.46) ; v1(1905.71,1354.32) 1905.71,1351.97 1939.04,1318.64 3259.77,1318.64 v1(3281.82,1340.69) ; v1(3107.08,2827.92) 3107.08,2832.96 3100,2840.04 3100,2848.4 3150.6,2899 v1(3384,2899)
33P: pad.2@1478,2646 U4.57 | length 4774
  Top Layer w5: v1(1575,2620) 1575,3340 1679,3444 1679,3543 1715.31,3579.31 v1(1895,3579.31) ; U4.57@3067.88,2745.84 3110.99,2788.96 3110.99,2800.98 3138.66,2828.65 3161.39,2828.65 v1(3164,2831.25) ; v1(3761,2904.69) 3761,3260 3820,3319 3820,3564 3812.42,3571.58 3805.65,3578.35 3793.58,3578.35 v1(3790.96,3580.96)
  Bottom Layer w5: pad.2@1475,2620 v1(1575,2620) ; pad.2@1478,2620 pad.2@1478,2646 ; v1(1895,3579.31) 1895.69,3580 2614.16,3580 2622.91,3588.75 3336.34,3588.75 3363.72,3561.38 3446.33,3561.38 3479.95,3595 3776.93,3595 v1(3790.96,3580.96) ; v1(3164,2831.25) 3205.25,2790 3645,2790 3759.69,2904.69 v1(3761,2904.69)
34P: pad.2@1478,2518 U4.56 | length 1996.9
  Top Layer w5: v1(1640,2520) 1640,2551.08 v1(1675.69,2586.77) ; U4.56@3081.8,2731.92 3114.82,2764.94 3114.82,2771.57 3132.8,2789.55 v1(3132.8,2791.95)
  Bottom Layer w5: pad.2@1478,2518 1480,2520 v1(1640,2520) ; v1(1675.69,2586.77) 1831.77,2430.69 1938.38,2430.69 2021.69,2514 2077.55,2514 2078.55,2515 2855.85,2515 v1(3132.8,2791.95)